# Altium PCB Zotino.PCBDOC (part 1 of 8)
Units mil, origin at the board's own origin, x right, y up, seen from the top; angles counter-clockwise.
Board outline 6303.18 x 3940.98 mil, 4 copper layers (TopLayer, Internal Plane 2, Signal Layer 1, BottomLayer), stack 61.54 mil thick; 716 components, 353 nets, 2092 pads, 748 vias.
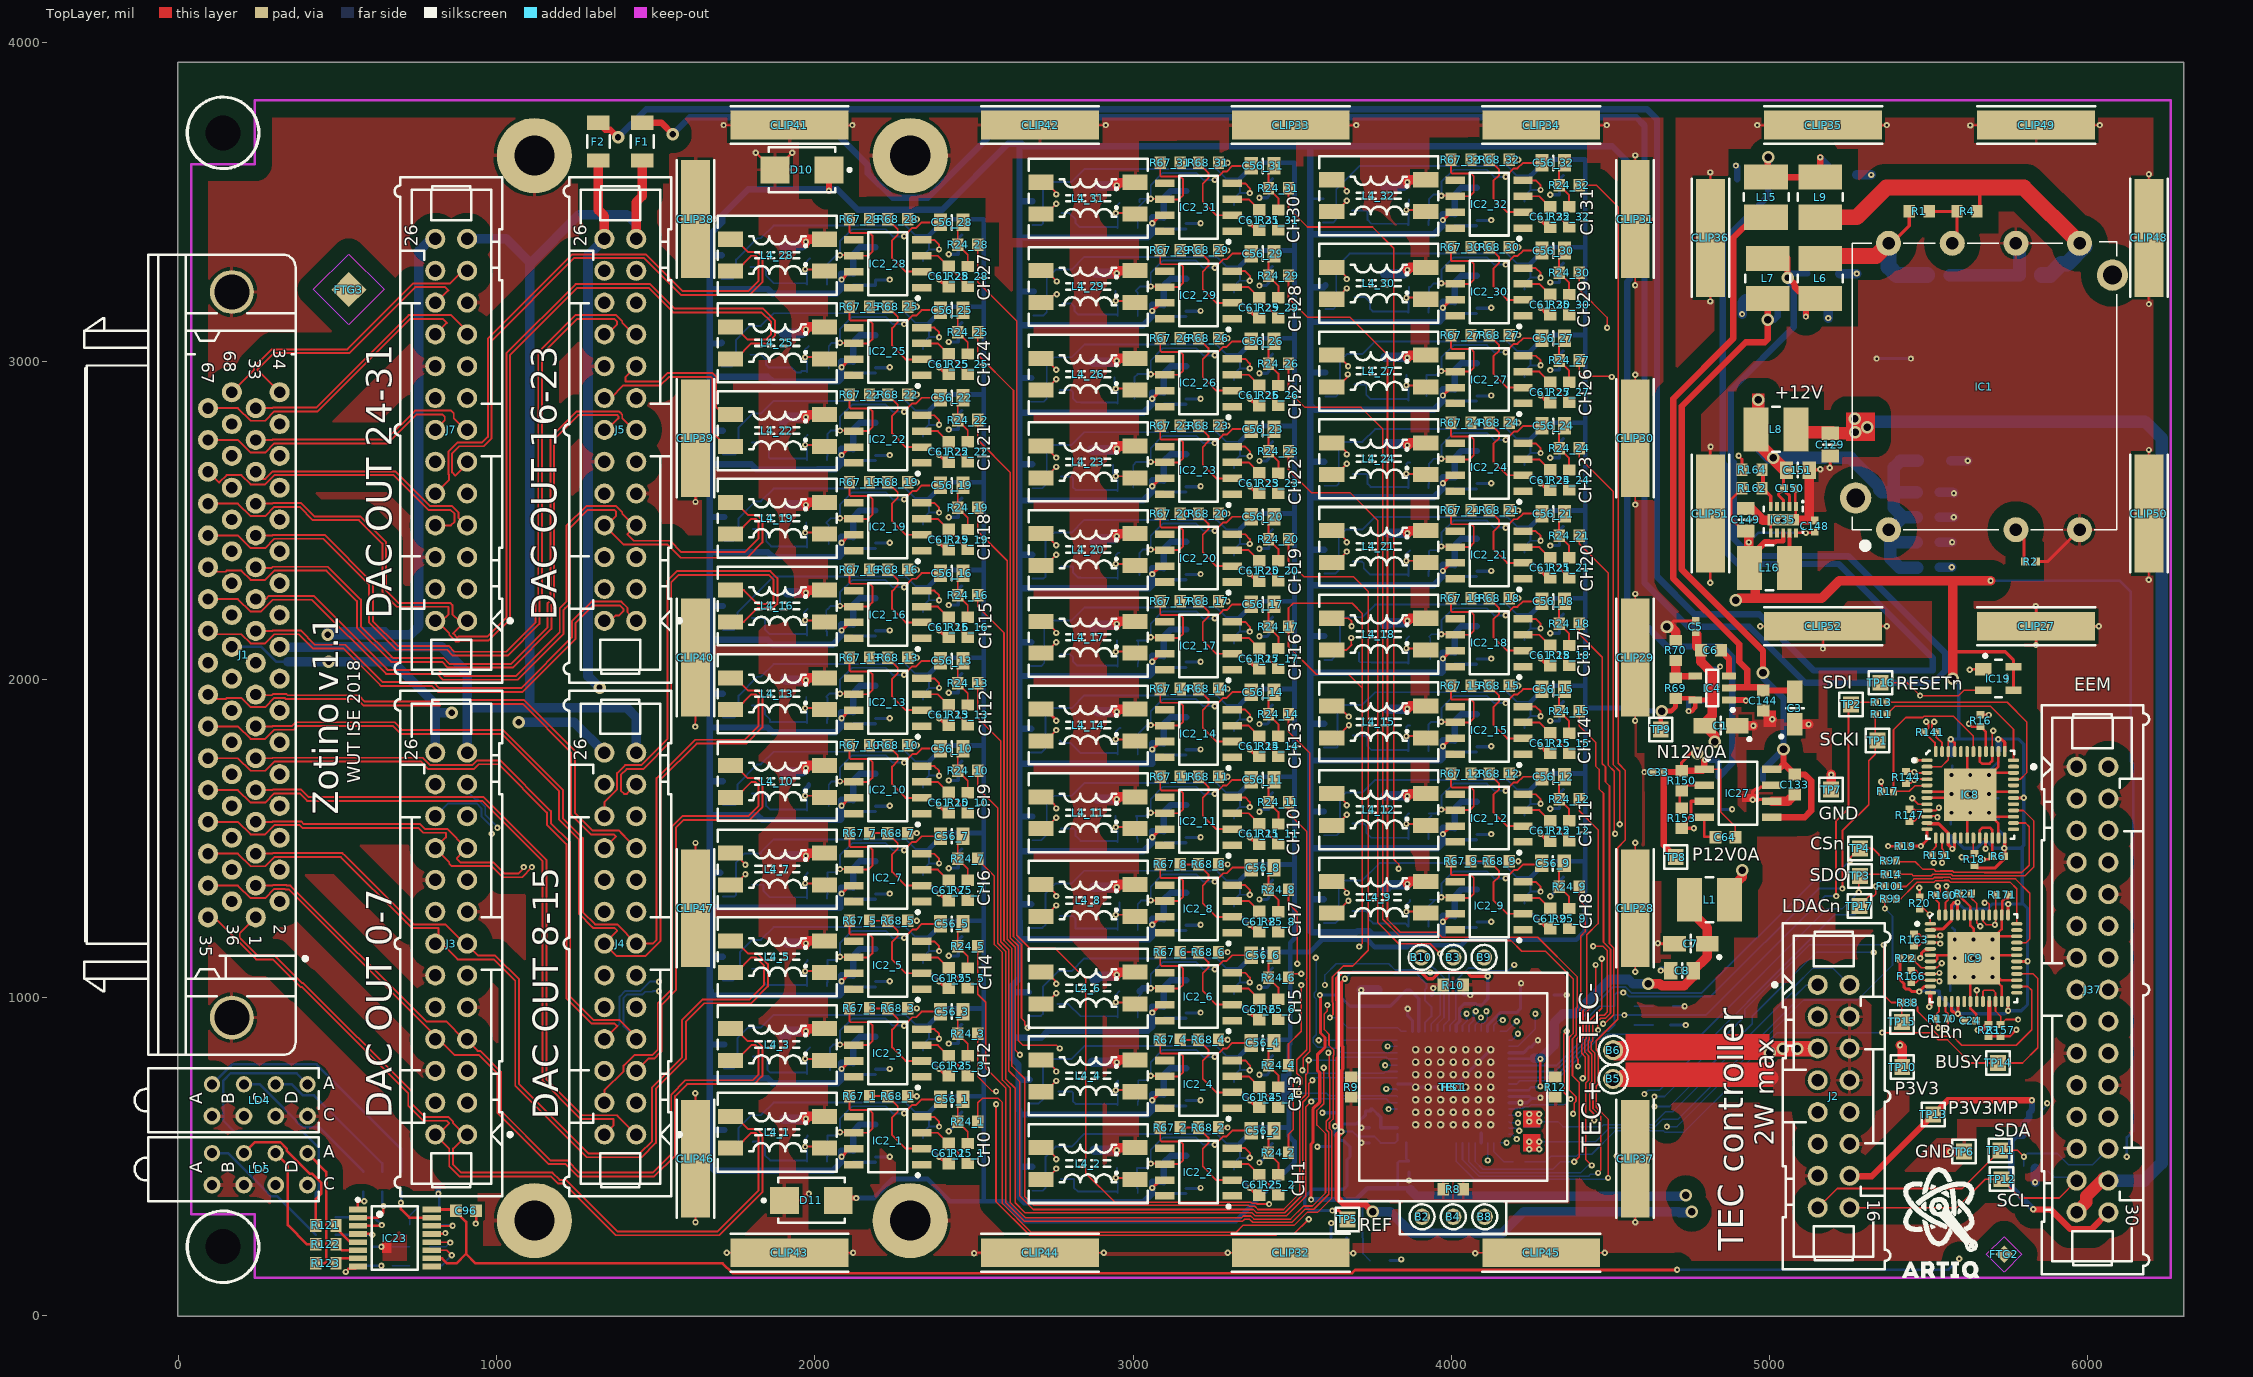
[diagram p0: TopLayer view]
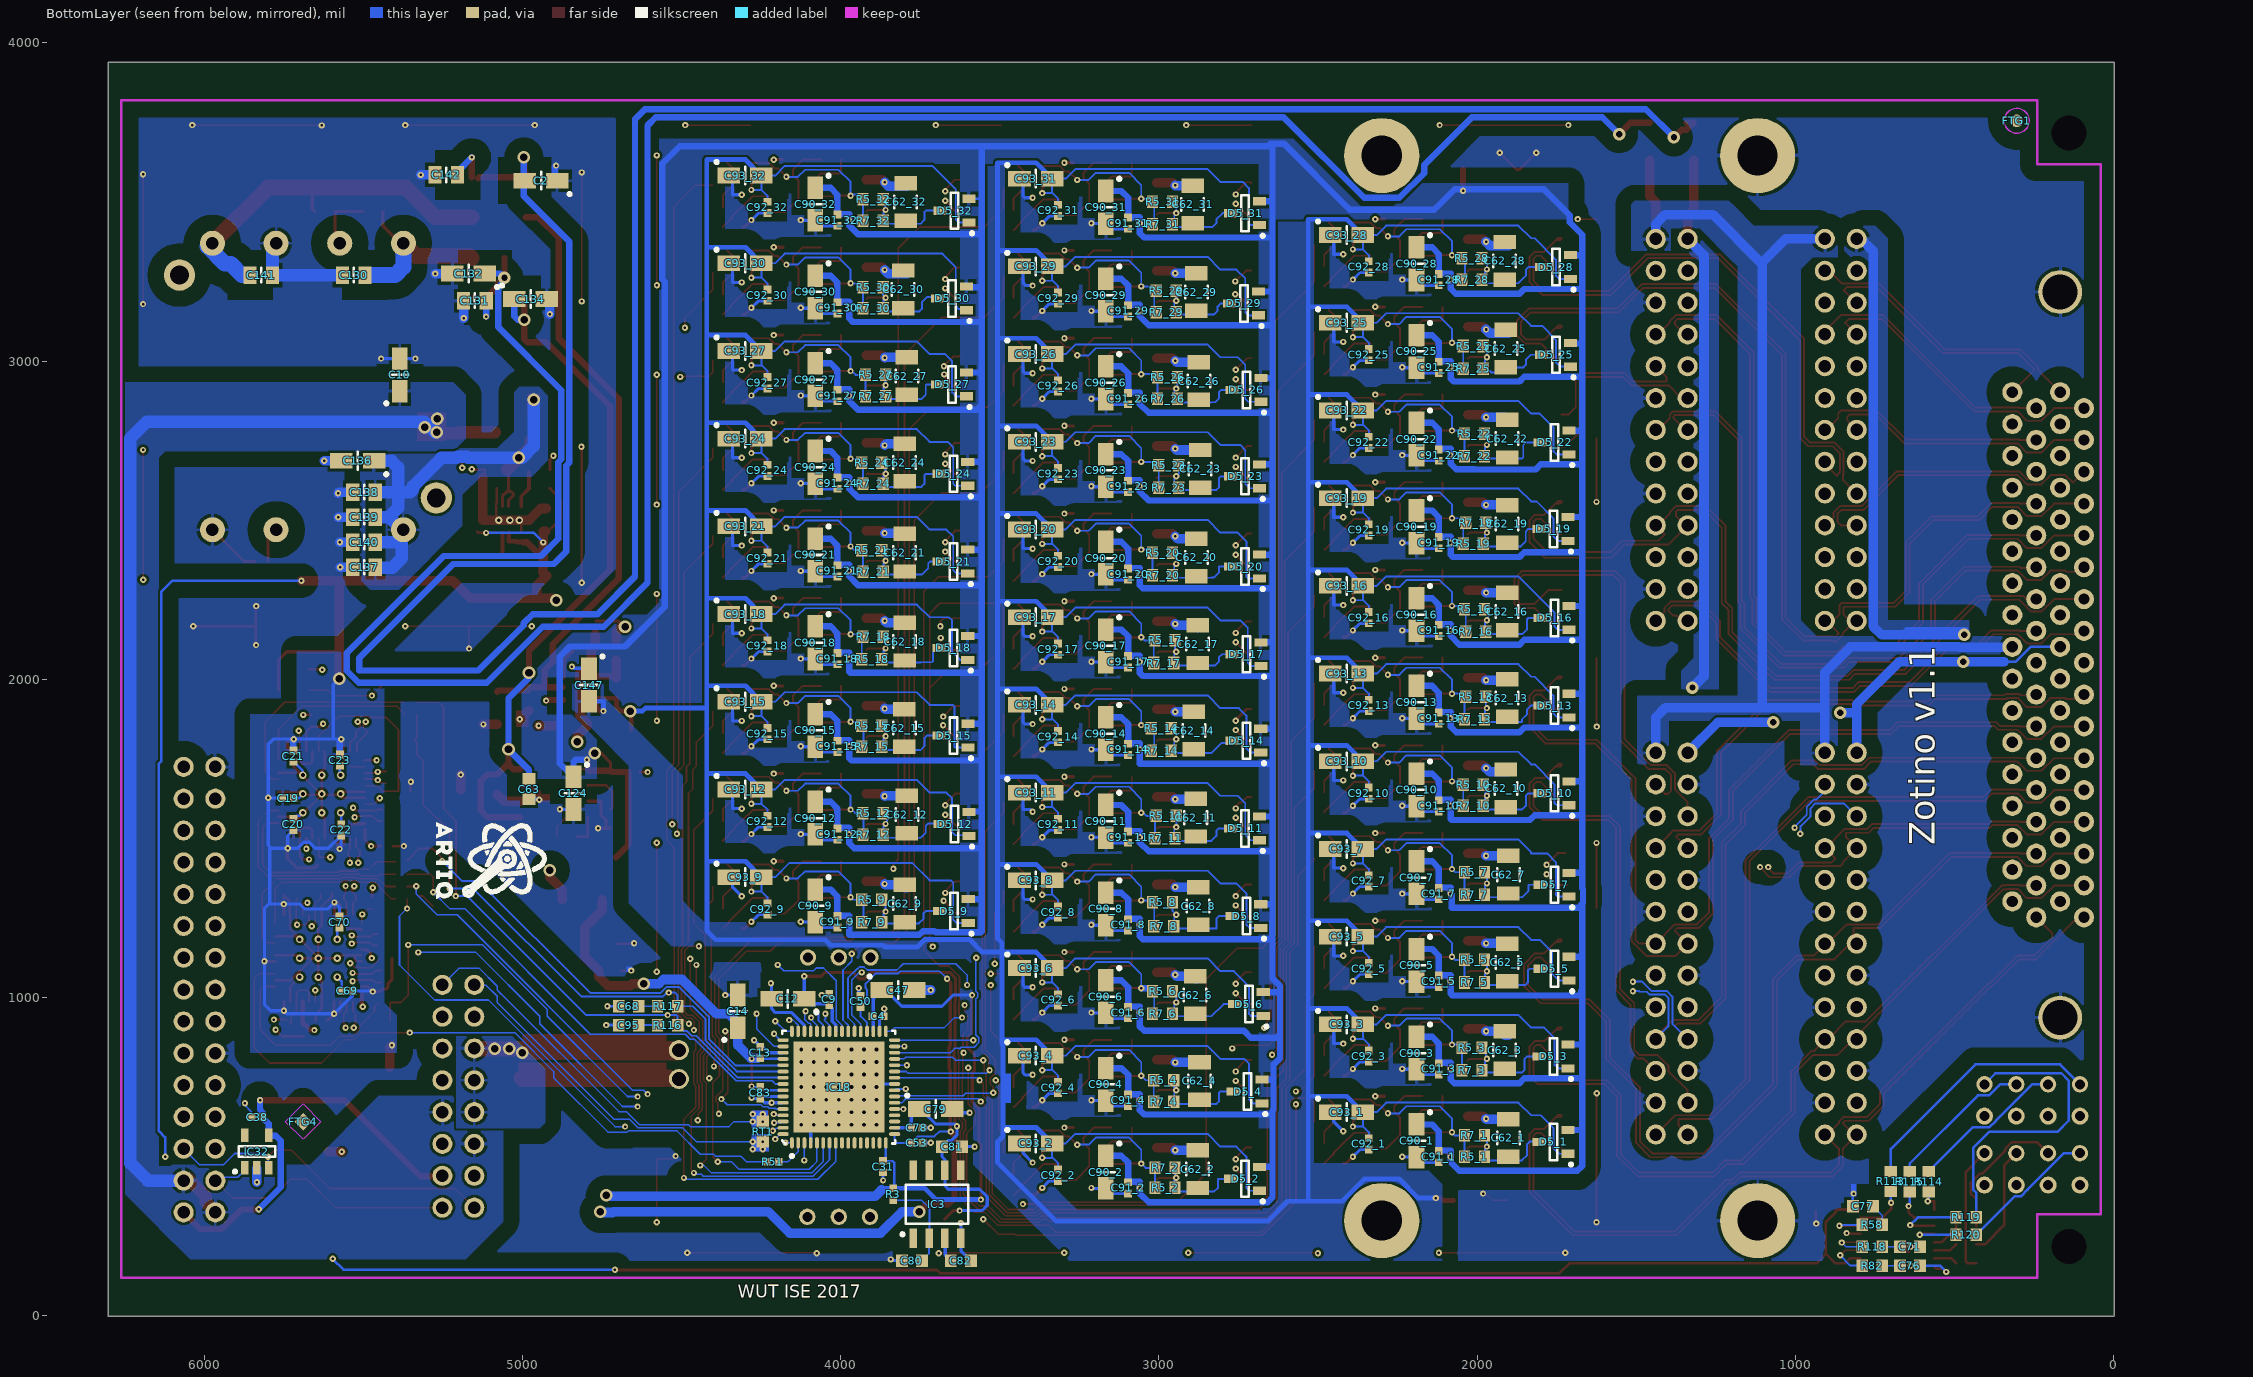
[diagram p1: BottomLayer view, seen from below]
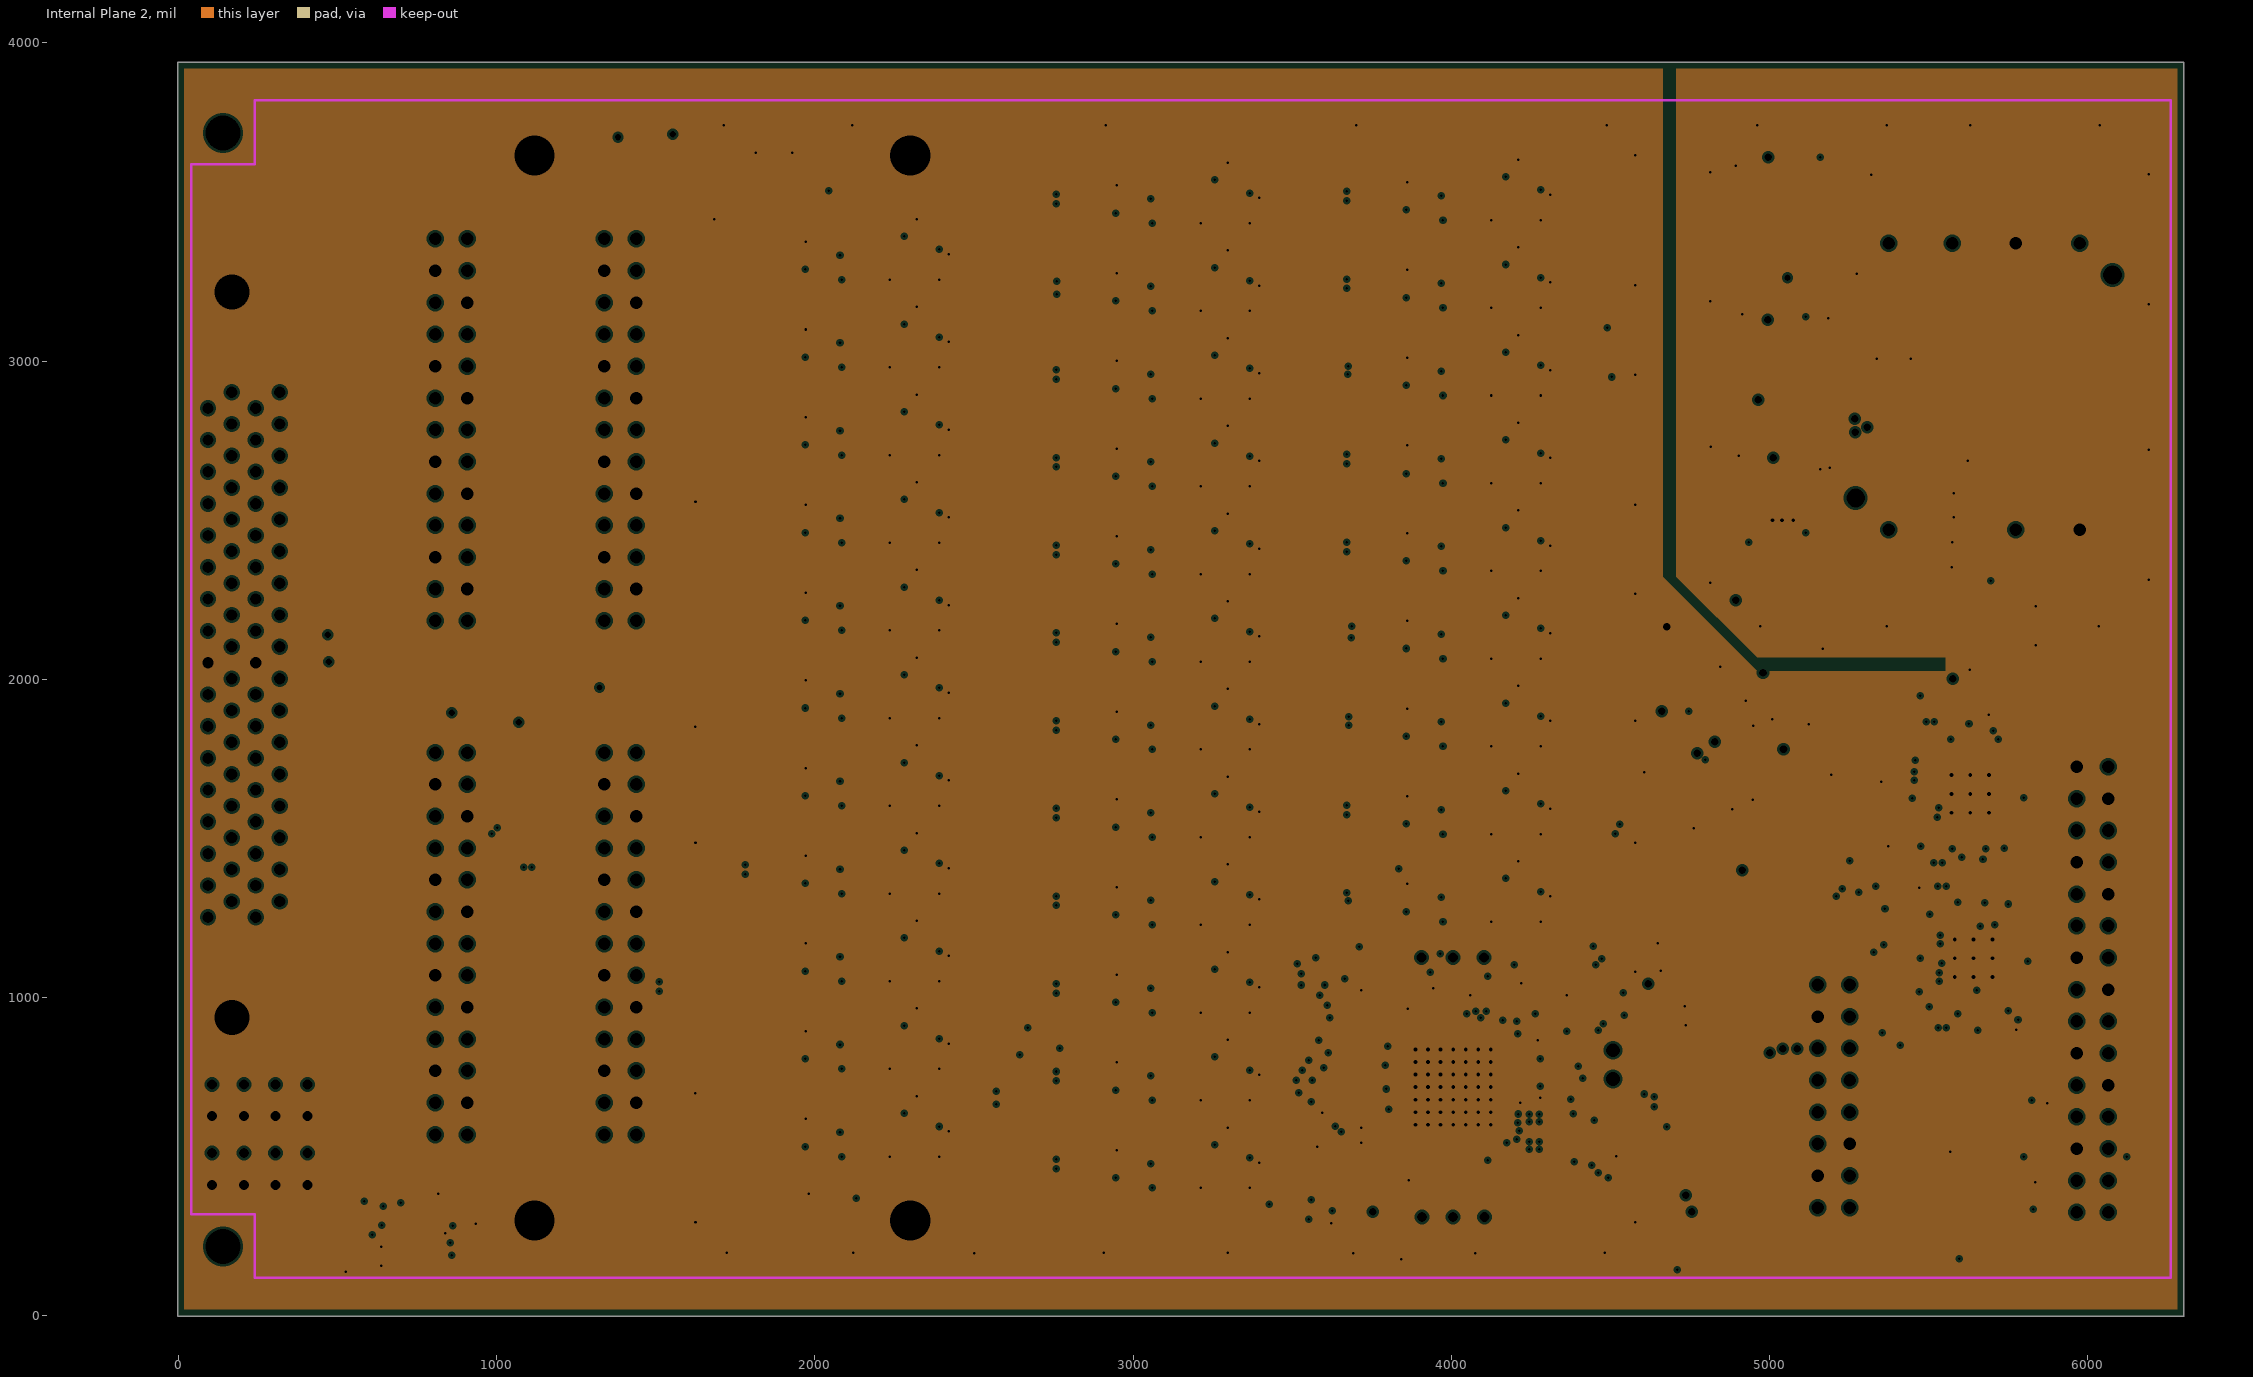
[diagram p2: Internal Plane 2, clearances drawn from the general rule]
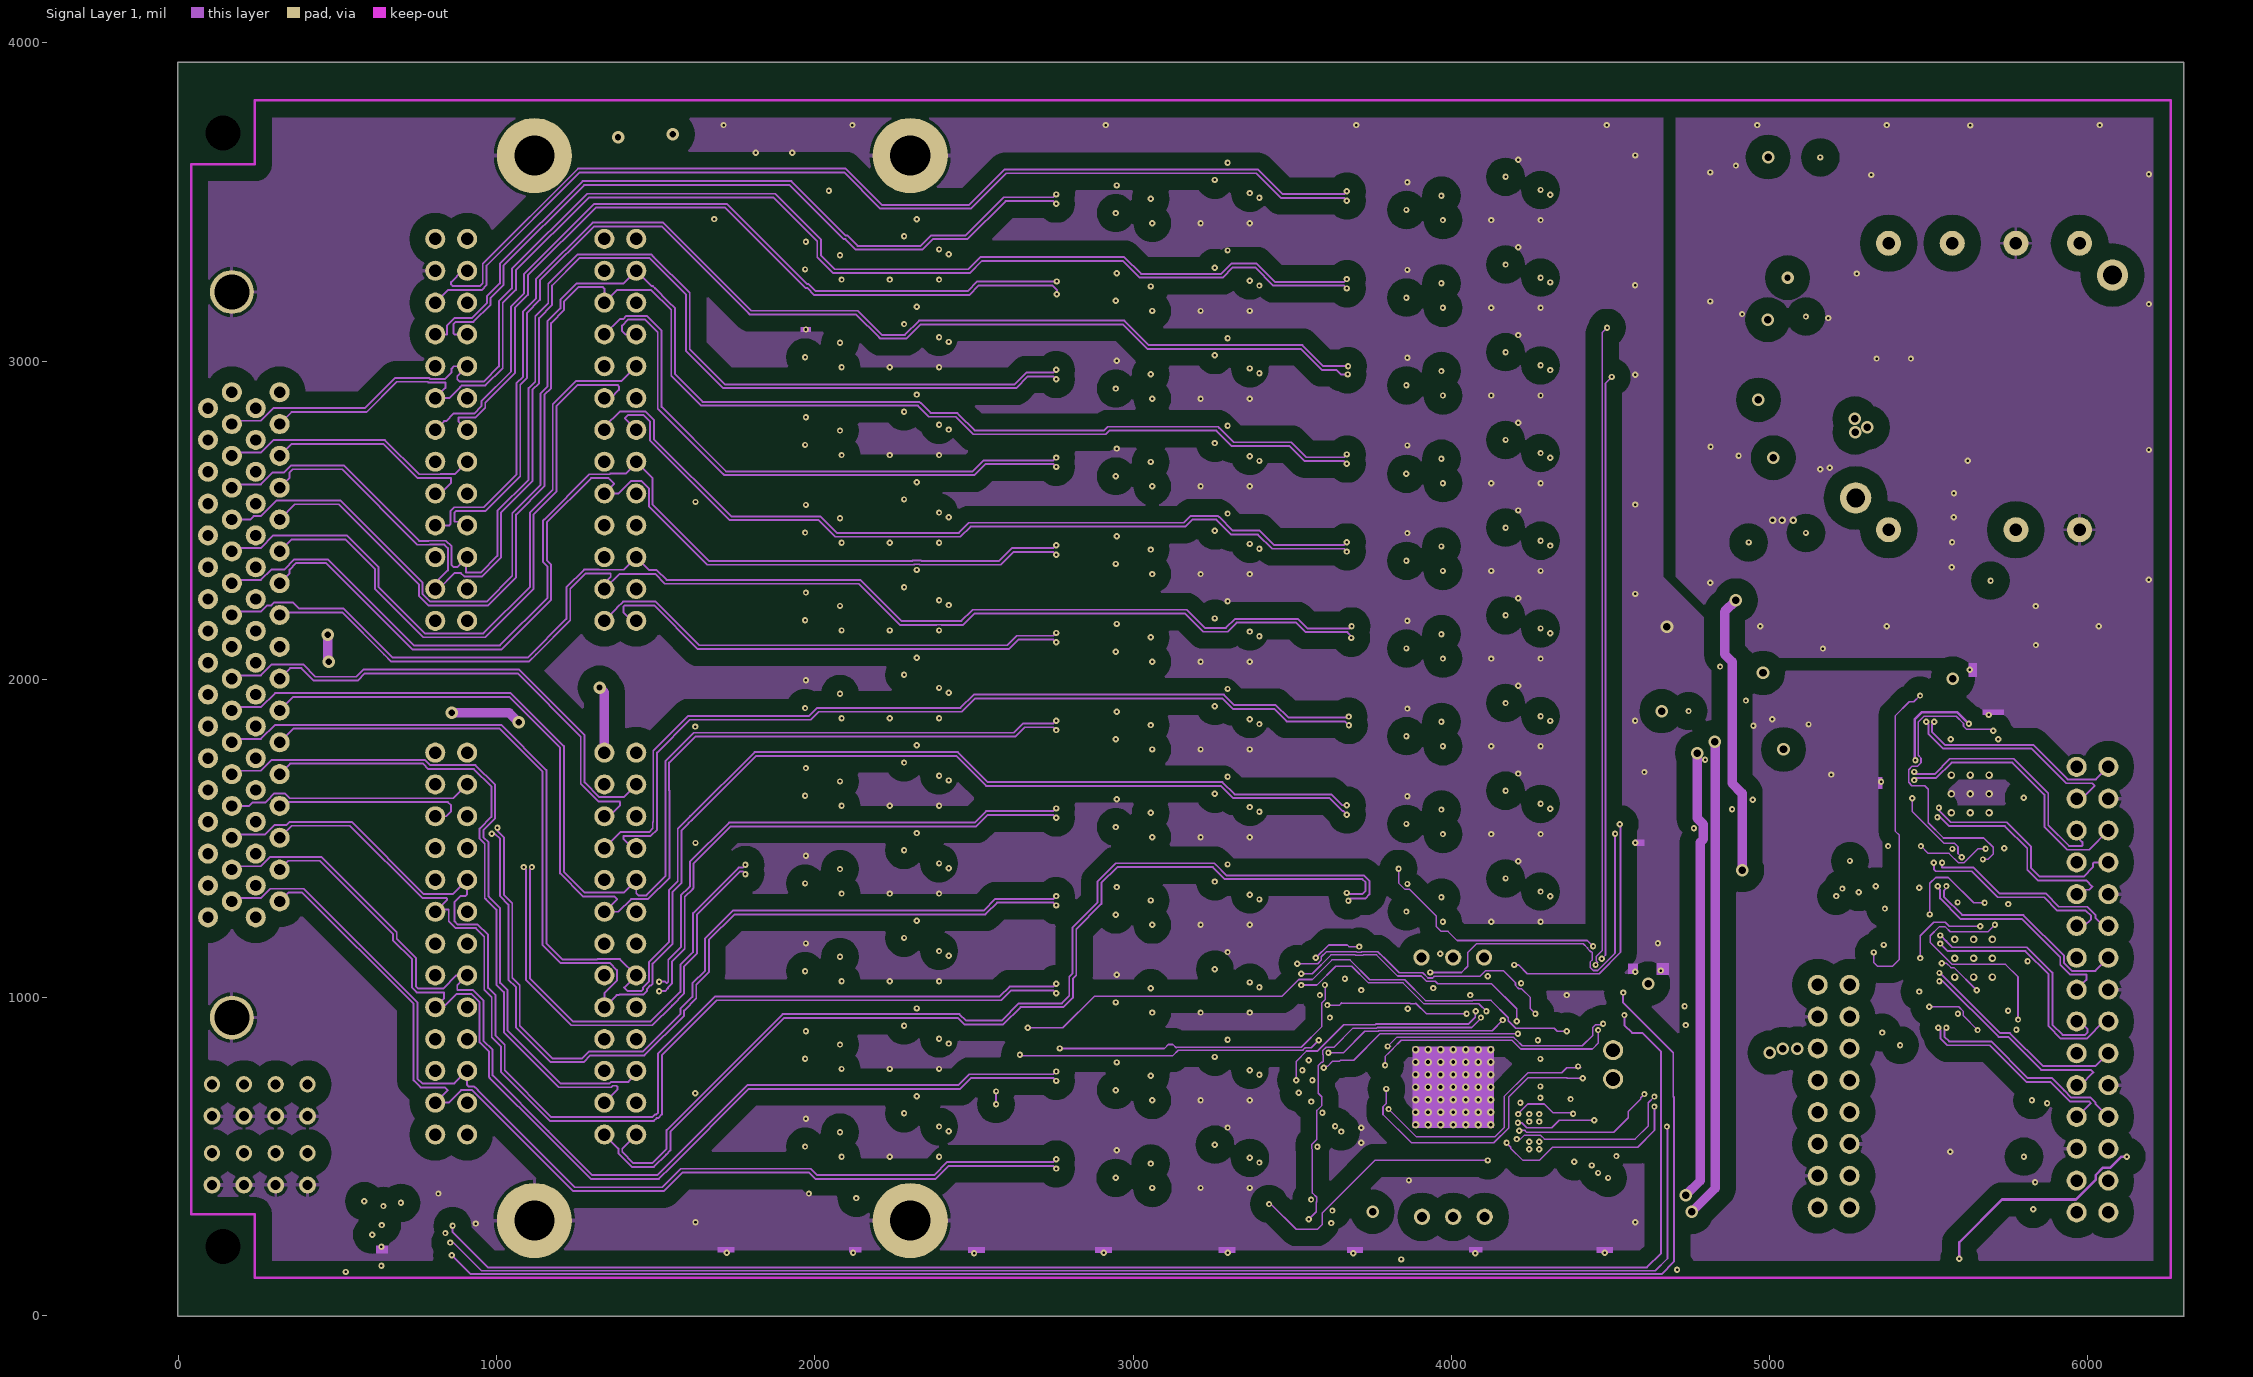
[diagram p3: Signal Layer 1]
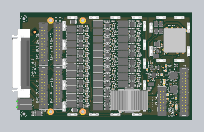
[diagram p11: 3D render of the assembled board from above, using the file's embedded part models]
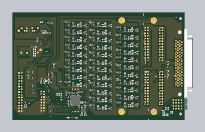
[diagram p12: 3D render of the assembled board from below, using the file's embedded part models]

## Layer stack, top to bottom
TopSolder: solder mask 0.4, Solder Resist, Dk 3.5
TopLayer: signal copper 1.4
Dielectric1: core 14.1732, FR-4, Dk 4.8
Internal Plane 2: plane copper 1.4169, net GND
Dielectric 3: prepreg 27.5591, Dk 4.2
Signal Layer 1: signal copper 1.4173
Dielectric 5: core 14.1732, Dk 4.2
BottomLayer: signal copper 1.4
BottomSolder: solder mask 0.4, Solder Resist, Dk 3.5

## Board outline
2952.59,-1.98 ccw(c2952.76,-0.01) 2952.76,-1.99 3653.91,-1.99 ccw(c3653.91,-0.01) 3654.08,-1.98 6299.21,-1.98 ccw(c6299.21,0) 6301.2,0 ccw(c6299.21,0) 6300.98,0.89 6300.98,1967.82 ccw(c6299.21,1968.72) 6301.2,1968.72 6301.2,3937.01 ccw(c6299.21,3937.01) 6299.03,3938.98 ccw(c6299,3937) 6299,3938.98 0,3938.98 ccw(c0,3937) -1.98,3937 -1.98,0 ccw(c0,0) 0,-1.98

## Design rules (kind name [scope] priority, off if disabled: settings)
AcuteAngle [All] p1: minimum=6.00000000000000E+0001 checktracksonly=FALSE
Clearance Clearance_balancing [InNamedPolygon('balancing')] p1: gap=50 ignorepadtopadclearanceinfootprint=FALSE except(25: Via-Via Via-Fill Via-Poly Via-Region Via-Text Via-Hole)
Clearance Clearance_DIFF [(InDifferentialPairClass('All Differential Pairs')and IsTrack ) vs (InDifferentialPairClass('All Differential Pairs') and IsTrack  )] p2 off: gap=20 ignorepadtopadclearanceinfootprint=FALSE except(0: Arc-Hole Track-Hole SMDPad-Hole THPad-Hole Via-Hole Fill-Hole Poly-Hole Region-Hole Text-Hole; 5: SMDPad-SMDPad SMDPad-THPad SMDPad-Via SMDPad-Fill SMDPad-Poly SMDPad-Region SMDPad-Text THPad-THPad THPad-Via THPad-Fill THPad-Poly THPad-Region THPad-Text Via-Via Via-Fill Via-Poly Via-Region Via-Text)
Clearance [All] p3: gap=5 ignorepadtopadclearanceinfootprint=FALSE except(0: Arc-Hole Track-Hole SMDPad-Hole THPad-Hole Via-Hole Fill-Hole Poly-Hole Region-Hole Text-Hole; 8: Arc-Poly Track-Poly SMDPad-Poly THPad-Poly Via-Poly Fill-Poly Poly-Poly)
ComponentClearance [All] p1: gap=0 collisioncheckmode=3 verticalgap=0 showdistances=FALSE
DiffPairsRouting [All] p1: maxlimit=6 minlimit=5 mostfreqgap=6 toplayer_minwidth=5 toplayer_maxwidth=6 toplayer_prefwidth=6 midlayer1_minwidth=5 midlayer1_maxwidth=6 midlayer1_prefwidth=6 bottomlayer_minwidth=5 bottomlayer_maxwidth=6 bottomlayer_prefwidth=6 maxuncoupledlength=500
FabricationTestPointUsage TestPointUsage [All] p1: valid=0 allowmultiple=FALSE
FabricationTestpoint Testpoint [All] p1: side=3 testpointundercomponent=TRUE minsize=40 maxsize=100 preferedsize=60 minholesize=20 maxholesize=40 preferedholesize=32 testpointgrid=1 allowsidetop=TRUE allowsidebottom=TRUE usegrid=TRUE gridtolerance=0.01
Height [All] p1: minheight=0 maxheight=1574.8 prefheight=1574.8
HoleSize [All] p1: absolutevalues=TRUE maxlimit=150 minlimit=1 maxpercent=80.000 minpercent=20.000
HoleToHoleClearance [All] p1: gap=1 allowstackedmicrovias=TRUE
MinimumSolderMaskSliver [All] p1: minsoldermaskwidth=0
PlaneClearance [All] p1: clearance=7.87
PlaneConnect [All] p1: planeconnectstyle=Direct reliefexpansion=20 reliefentries=4 reliefconductorwidth=10 reliefairgap=10
PolygonConnect PolygonConnect_pad [(InPadClass('All Pads'))] p1: connectstyle=Relief reliefconductorwidth=10 reliefentries=4 polygonreliefangle="90 Angle" airgapwidth=10
PolygonConnect [All] p2: connectstyle=Direct reliefconductorwidth=10 reliefentries=4 polygonreliefangle="45 Angle" airgapwidth=10
RoomDefinition Zotino [InComponentClass('Zotino')] p1: confinementstyle=ConfineIn formatcopy=TRUE lockcomponents=FALSE outline -4000,-6000 -2000,-6000 -2000,-5000 -4000,-5000
RoomDefinition U_Supply_DAC [InComponentClass('U_Supply_DAC')] p2 off: confinementstyle=ConfineIn formatcopy=TRUE lockcomponents=FALSE outline 6397.64,2224.41 4881.89,2224.41 4881.89,59.06 6397.64,59.06
RoomDefinition U_LVDS_IFC_DAC [InComponentClass('U_LVDS_IFC_DAC')] p3 off: confinementstyle=ConfineIn formatcopy=TRUE lockcomponents=FALSE outline 4842.52,78.74 6299.21,78.74 6299.21,2086.61 4842.52,2086.61
RoomDefinition U_Output_channel1 [InComponentClass('U_Output_channel1')] p4 off: confinementstyle=ConfineIn formatcopy=TRUE lockcomponents=FALSE outline 1683.56,441.19 2557.58,441.19 2557.58,716.78 1683.56,716.78
RoomDefinition U_Output_channel2 [InComponentClass('U_Output_channel2')] p5 off: confinementstyle=ConfineIn formatcopy=TRUE lockcomponents=FALSE outline 2659.94,342.76 3533.96,342.76 3533.96,618.35 2659.94,618.35
RoomDefinition U_Output_channel3 [InComponentClass('U_Output_channel3')] p6 off: confinementstyle=ConfineIn formatcopy=TRUE lockcomponents=FALSE outline 1683.56,716.78 2557.58,716.78 2557.58,992.37 1683.56,992.37
RoomDefinition U_Output_channel4 [InComponentClass('U_Output_channel4')] p7 off: confinementstyle=ConfineIn formatcopy=TRUE lockcomponents=FALSE outline 2659.94,618.35 3533.96,618.35 3533.96,893.95 2659.94,893.95
RoomDefinition U_Output_channel5 [InComponentClass('U_Output_channel5')] p8 off: confinementstyle=ConfineIn formatcopy=TRUE lockcomponents=FALSE outline 1683.56,992.37 2557.58,992.37 2557.58,1267.96 1683.56,1267.96
RoomDefinition U_Output_channel6 [InComponentClass('U_Output_channel6')] p9 off: confinementstyle=ConfineIn formatcopy=TRUE lockcomponents=FALSE outline 2659.94,893.95 3533.96,893.95 3533.96,1169.54 2659.94,1169.54
RoomDefinition U_Output_channel7 [InComponentClass('U_Output_channel7')] p10 off: confinementstyle=ConfineIn formatcopy=TRUE lockcomponents=FALSE outline 1683.56,1267.96 2557.58,1267.96 2557.58,1543.55 1683.56,1543.55
RoomDefinition U_Output_channel8 [InComponentClass('U_Output_channel8')] p11 off: confinementstyle=ConfineIn formatcopy=TRUE lockcomponents=FALSE outline 2659.94,1169.54 3533.96,1169.54 3533.96,1445.13 2659.94,1445.13
RoomDefinition U_Output_channel9 [InComponentClass('U_Output_channel9')] p12 off: confinementstyle=ConfineIn formatcopy=TRUE lockcomponents=FALSE outline 3573.33,1179.38 4447.34,1179.38 4447.34,1454.97 3573.33,1454.97
RoomDefinition U_Output_channel10 [InComponentClass('U_Output_channel10')] p13 off: confinementstyle=ConfineIn formatcopy=TRUE lockcomponents=FALSE outline 1683.56,1543.55 2557.58,1543.55 2557.58,1819.14 1683.56,1819.14
RoomDefinition U_Output_channel11 [InComponentClass('U_Output_channel11')] p14 off: confinementstyle=ConfineIn formatcopy=TRUE lockcomponents=FALSE outline 2659.94,1445.13 3533.96,1445.13 3533.96,1720.72 2659.94,1720.72
RoomDefinition U_Output_channel12 [InComponentClass('U_Output_channel12')] p15 off: confinementstyle=ConfineIn formatcopy=TRUE lockcomponents=FALSE outline 3573.33,1454.97 4447.34,1454.97 4447.34,1730.56 3573.33,1730.56
RoomDefinition U_Output_channel13 [InComponentClass('U_Output_channel13')] p16 off: confinementstyle=ConfineIn formatcopy=TRUE lockcomponents=FALSE outline 1683.56,1819.14 2557.58,1819.14 2557.58,2094.73 1683.56,2094.73
RoomDefinition U_Output_channel14 [InComponentClass('U_Output_channel14')] p17 off: confinementstyle=ConfineIn formatcopy=TRUE lockcomponents=FALSE outline 2659.94,1720.72 3533.96,1720.72 3533.96,1996.31 2659.94,1996.31
RoomDefinition U_Output_channel15 [InComponentClass('U_Output_channel15')] p18 off: confinementstyle=ConfineIn formatcopy=TRUE lockcomponents=FALSE outline 3573.33,1730.56 4447.34,1730.56 4447.34,2006.15 3573.33,2006.15
RoomDefinition U_Output_channel16 [InComponentClass('U_Output_channel16')] p19 off: confinementstyle=ConfineIn formatcopy=TRUE lockcomponents=FALSE outline 1683.56,2094.73 2557.58,2094.73 2557.58,2370.32 1683.56,2370.32
RoomDefinition U_Output_channel17 [InComponentClass('U_Output_channel17')] p20 off: confinementstyle=ConfineIn formatcopy=TRUE lockcomponents=FALSE outline 2659.94,1996.31 3533.96,1996.31 3533.96,2271.9 2659.94,2271.9
RoomDefinition U_Output_channel18 [InComponentClass('U_Output_channel18')] p21 off: confinementstyle=ConfineIn formatcopy=TRUE lockcomponents=FALSE outline 3573.33,2006.15 4447.34,2006.15 4447.34,2281.74 3573.33,2281.74
RoomDefinition U_Output_channel19 [InComponentClass('U_Output_channel19')] p22 off: confinementstyle=ConfineIn formatcopy=TRUE lockcomponents=FALSE outline 1683.56,2370.32 2557.58,2370.32 2557.58,2645.91 1683.56,2645.91
RoomDefinition U_Output_channel20 [InComponentClass('U_Output_channel20')] p23 off: confinementstyle=ConfineIn formatcopy=TRUE lockcomponents=FALSE outline 2659.94,2271.9 3533.96,2271.9 3533.96,2547.49 2659.94,2547.49
RoomDefinition U_Output_channel22 [InComponentClass('U_Output_channel22')] p24 off: confinementstyle=ConfineIn formatcopy=TRUE lockcomponents=FALSE outline 1683.56,2645.91 2557.58,2645.91 2557.58,2921.5 1683.56,2921.5
RoomDefinition U_Output_channel23 [InComponentClass('U_Output_channel23')] p25 off: confinementstyle=ConfineIn formatcopy=TRUE lockcomponents=FALSE outline 2659.94,2547.49 3533.96,2547.49 3533.96,2823.08 2659.94,2823.08
RoomDefinition U_Output_channel24 [InComponentClass('U_Output_channel24')] p26 off: confinementstyle=ConfineIn formatcopy=TRUE lockcomponents=FALSE outline 3573.33,2557.33 4447.34,2557.33 4447.34,2832.92 3573.33,2832.92
RoomDefinition U_Output_channel25 [InComponentClass('U_Output_channel25')] p27 off: confinementstyle=ConfineIn formatcopy=TRUE lockcomponents=FALSE outline 1683.56,2921.5 2557.58,2921.5 2557.58,3197.1 1683.56,3197.1
RoomDefinition U_Output_channel26 [InComponentClass('U_Output_channel26')] p28 off: confinementstyle=ConfineIn formatcopy=TRUE lockcomponents=FALSE outline 2659.94,2823.08 3533.96,2823.08 3533.96,3098.67 2659.94,3098.67
RoomDefinition U_Output_channel27 [InComponentClass('U_Output_channel27')] p29 off: confinementstyle=ConfineIn formatcopy=TRUE lockcomponents=FALSE outline 3573.33,2832.92 4447.34,2832.92 4447.34,3108.51 3573.33,3108.51
RoomDefinition U_Output_channel28 [InComponentClass('U_Output_channel28')] p30 off: confinementstyle=ConfineIn formatcopy=TRUE lockcomponents=FALSE outline 1683.56,3197.09 2557.58,3197.09 2557.58,3472.69 1683.56,3472.69
RoomDefinition U_Output_channel29 [InComponentClass('U_Output_channel29')] p31 off: confinementstyle=ConfineIn formatcopy=TRUE lockcomponents=FALSE outline 2659.94,3098.67 3533.96,3098.67 3533.96,3374.26 2659.94,3374.26
RoomDefinition U_Output_channel30 [InComponentClass('U_Output_channel30')] p32 off: confinementstyle=ConfineIn formatcopy=TRUE lockcomponents=FALSE outline 3573.33,3108.51 4447.34,3108.51 4447.34,3384.1 3573.33,3384.1
RoomDefinition U_Output_channel31 [InComponentClass('U_Output_channel31')] p33 off: confinementstyle=ConfineIn formatcopy=TRUE lockcomponents=FALSE outline 2659.94,3374.26 3533.96,3374.26 3533.96,3649.85 2659.94,3649.85